# Allegro board FMDEMOD-57.brd (continued)
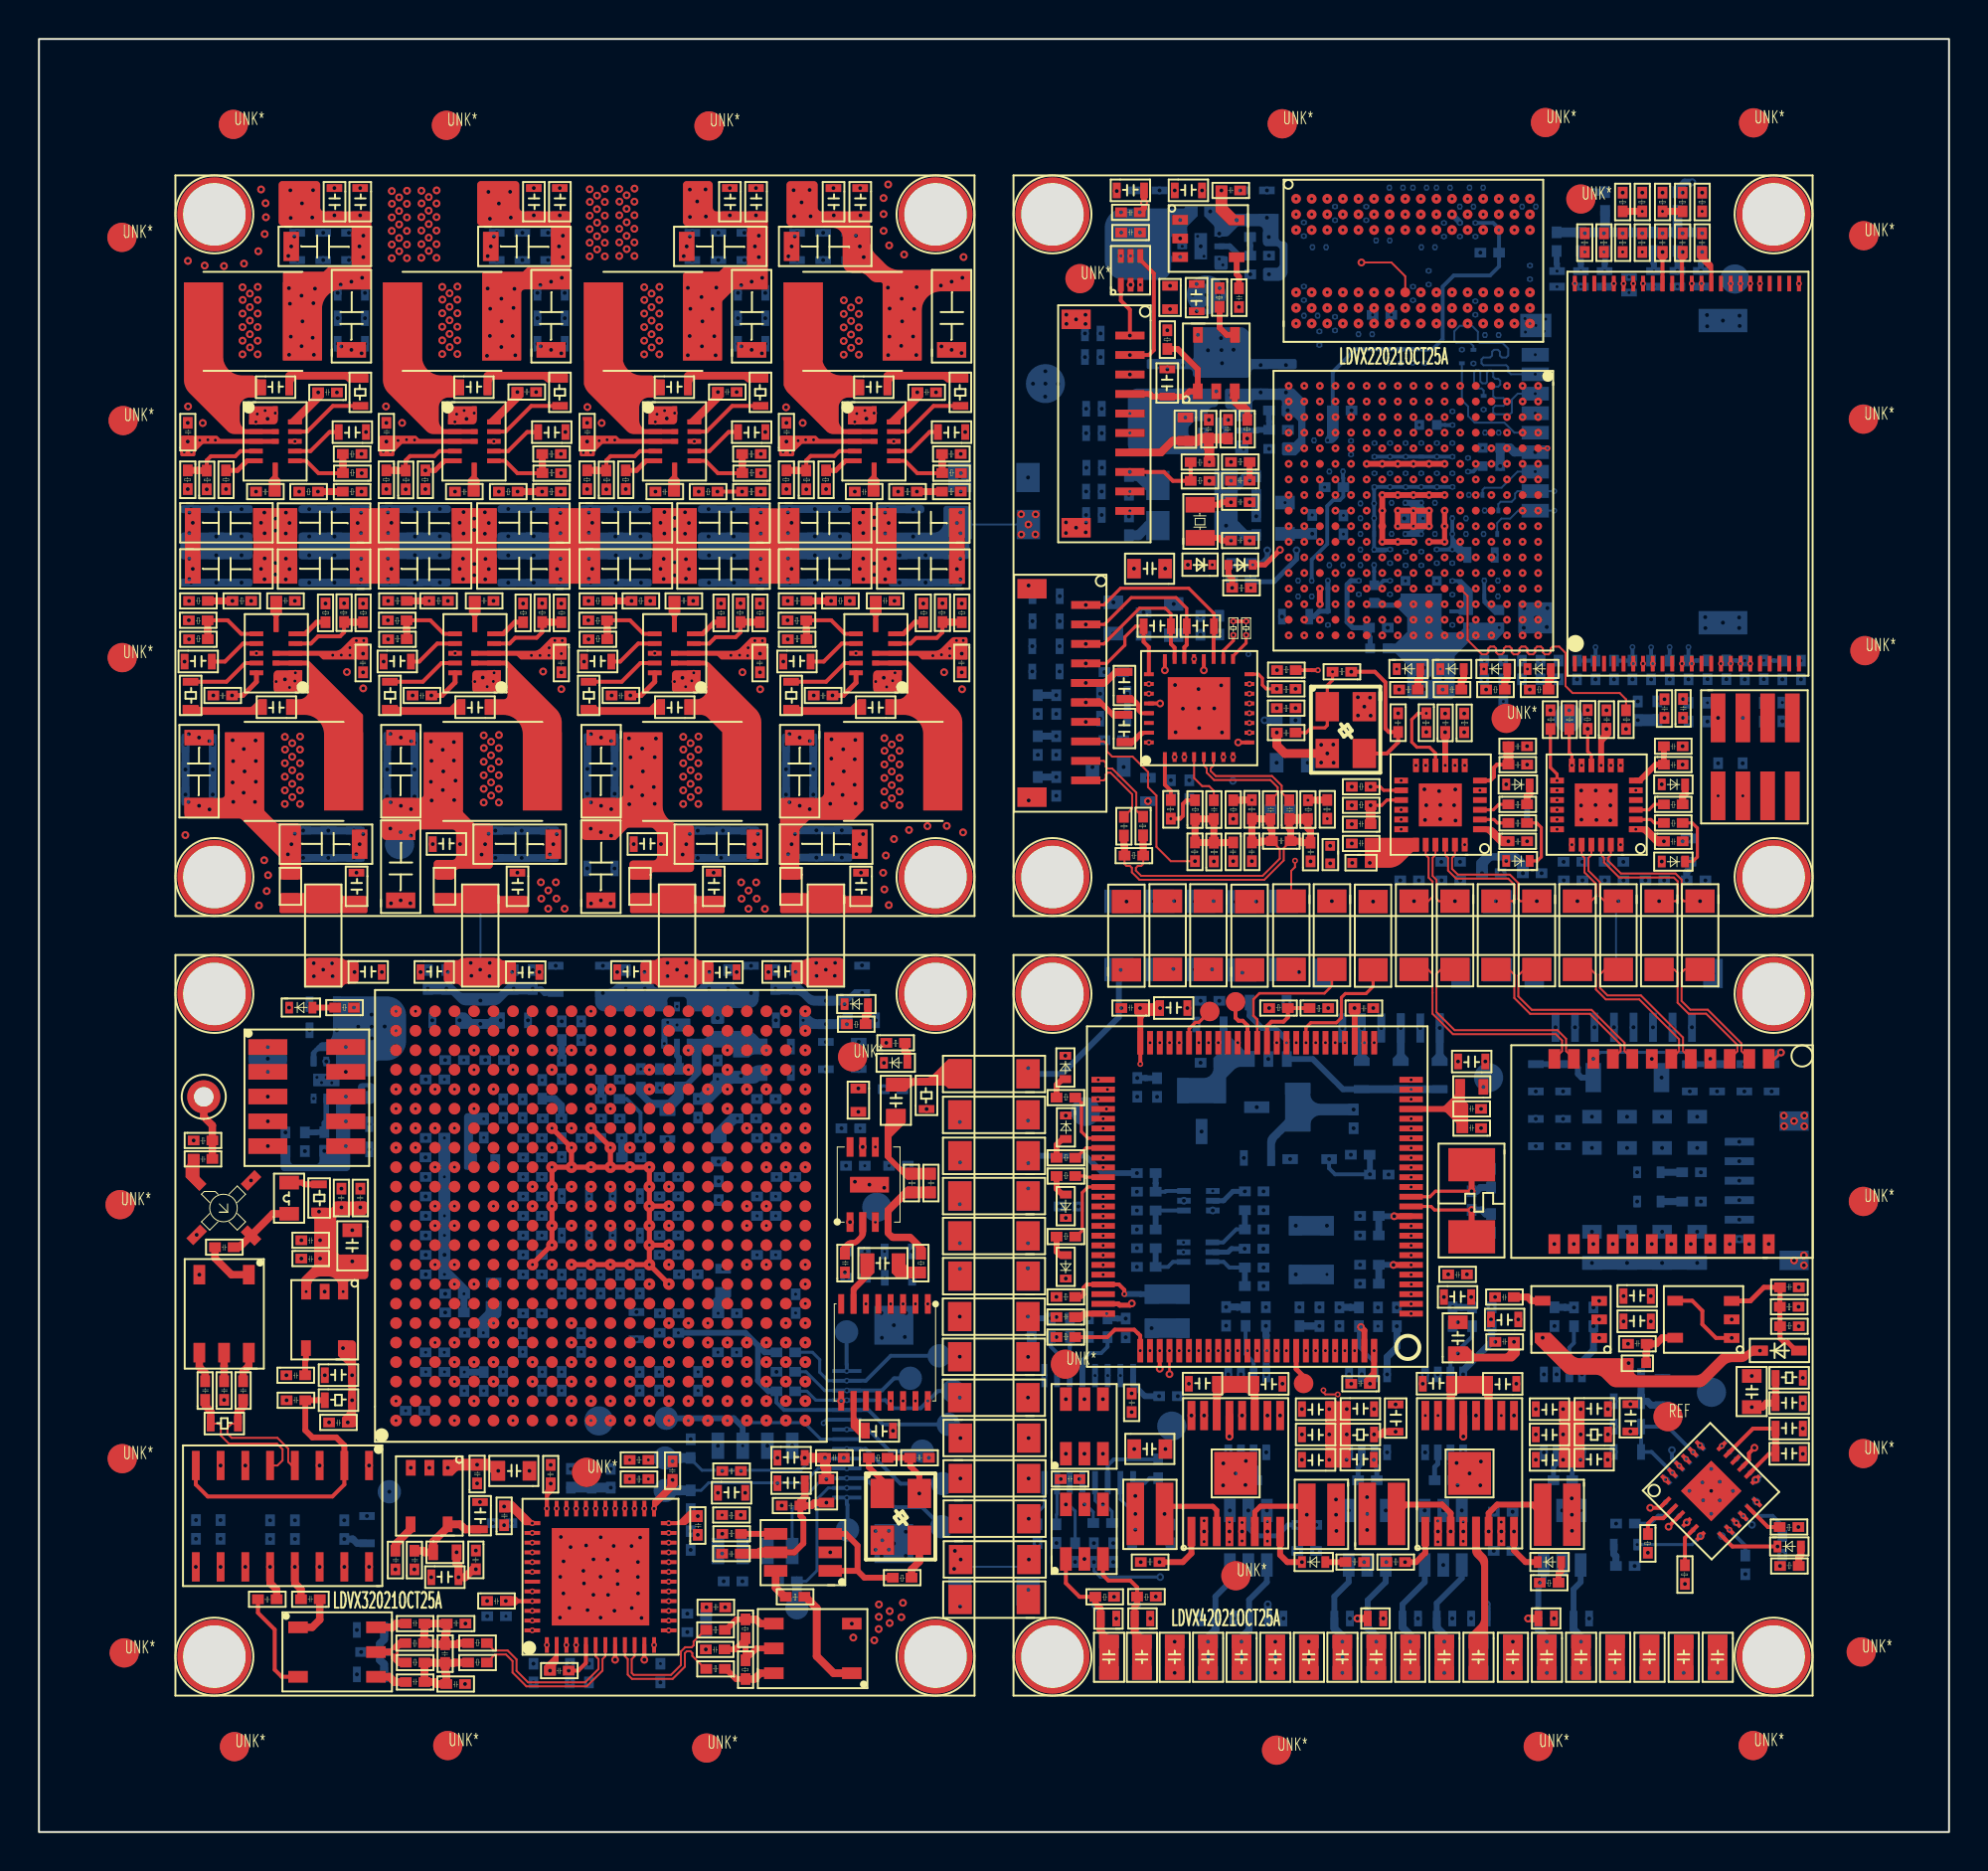
[diagram p0: board, top side]
## Placement (name value [footprint] x y rotation side) (continued)
C271  0.1uF/25V  [C0603]  12.85 80.56 90 bottom
C272  2.2pF  [C0201]  65.99 81.17 180 bottom
C273  10uF  [C0402]  74.92 80.79 180 bottom
C274  0.22uF  [C0201]  71.15 79.45 90 bottom
C275  0.1uF/25V  [C0603]  37.36 78.57 180 bottom
C276  0.1uF/25V  [C0603]  27.07 78.57 180 bottom
C277  0.1uF/25V  [C0603]  16.83 78.57 180 bottom
C278  0.22uF  [C0201]  64.75 78.65 90 bottom
C279  0.22uF  [C0201]  70.35 78.64 90 bottom
C280  0.22uF  [C0201]  73.55 77.9 90 bottom
C281  2.2pF  [C0402]  68.41 78.09 0 bottom
C282  0.22uF  [C0201]  64.95 77.95 0 bottom
C283  0.1uF/25V  [C0603]  37.36 77.27 180 bottom
C284  0.1uF/25V  [C0603]  27.07 77.27 180 bottom
C285  0.1uF/25V  [C0603]  16.83 77.27 180 bottom
C286  0.22uF  [C0201]  66.65 77.69 270 bottom
C287  0.22uF  [C0201]  68.35 76.7 180 bottom
C288  0.22uF  [C0201]  74.84 76.66 180 bottom
C289  0.22uF  [C0201]  65.84 76.95 270 bottom
C290  0.1uF/25V  [C0603]  37.36 75.96 180 bottom
C291  0.1uF/25V  [C0603]  27.07 75.96 180 bottom
C292  0.1uF/25V  [C0603]  16.83 75.96 180 bottom
C293  0.1uF  [C0201]  70.95 75.42 90 bottom
C294  0.1uF  [C0201]  69.41 76.03 270 bottom
C295  10uF  [C0603]  64.38 75.37 270 bottom
C296  10uF  [C0603]  63.08 75.37 270 bottom
C297  10uF  [C0603]  59.1 75.37 270 bottom
C298  10uF  [C0603]  57.79 75.37 270 bottom
C299  10uF  [C0402]  66.37 73.19 0 bottom
C300  0.1uF  [C0201]  72.37 72.24 90 bottom
C301  0.1uF  [C0201]  74.84 71.65 180 bottom
C302  0.22uF  [C0201]  66.07 71.26 180 bottom
C303  0.22uF  [C0201]  72.37 70.62 90 bottom
C304  0.22uF  [C0201]  71.57 70.62 90 bottom
C305  0.22uF  [C0201]  70.77 70.62 90 bottom
C306  0.22uF  [C0201]  69.97 70.62 90 bottom
C307  0.22uF  [C0201]  69.17 70.62 90 bottom
C308  0.22uF  [C0201]  68.37 70.62 90 bottom
C309  0.1uF  [C0201]  73.47 70.45 270 bottom
C310  0.22uF  [C0201]  66.86 69.66 180 bottom
C311  0.22uF  [C0201]  72.37 69.06 90 bottom
C312  0.1uF  [C0201]  71.57 69.06 90 bottom
C313  0.1uF  [C0201]  70.77 69.06 90 bottom
C314  0.1uF  [C0201]  69.97 69.06 90 bottom
C315  0.22uF  [C0201]  69.17 69.06 90 bottom
C316  0.22uF  [C0201]  68.37 69.06 90 bottom
C317  22uF  [C0402]  66.93 68.75 180 bottom
C318  0.22uF  [C0201]  70.97 68.35 0 bottom
C319  0.22uF  [C0201]  70.05 68.05 180 bottom
C320  0.1uF  [C0201]  68.45 68.02 180 bottom
C321  0.22uF  [C0201]  68.45 67.26 180 bottom
C322  10uF  [C0805]  64.55 68.41 270 bottom
C323  0.22uF  [C0201]  72.56 67.55 0 bottom
C324  0.22uF  [C0402]  71.02 67.15 180 bottom
C325  0.1uF/50V  [C0603]  40.7 66.38 90 bottom
C326  0.1uF/50V  [C0603]  39.41 66.38 90 bottom
C327  0.1uF/50V  [C0603]  38.12 66.38 90 bottom
C328  0.1uF/50V  [C0603]  36.54 66.37 90 bottom
C329  0.1uF/50V  [C0603]  35.24 66.37 90 bottom
C330  0.1uF/50V  [C0603]  33.96 66.37 90 bottom
C331  0.1uF/50V  [C0603]  30.46 66.37 90 bottom
C332  0.1uF/50V  [C0603]  29.18 66.37 90 bottom
C333  0.1uF/50V  [C0603]  27.89 66.37 90 bottom
C334  0.1uF/50V  [C0603]  26.28 66.37 90 bottom
C335  0.1uF/50V  [C0603]  25.79 67.98 270 bottom
C336  0.1uF/50V  [C0603]  24.48 67.98 270 bottom
C337  0.1uF/50V  [C0603]  20.97 67.98 270 bottom
C338  0.1uF/50V  [C0603]  18.89 66.37 90 bottom
C339  0.1uF/50V  [C0603]  17.59 66.37 90 bottom
C340  0.1uF/25V  [C0603]  16.06 66.37 90 bottom
C341  0.1uF/25V  [C0603]  14.76 66.37 90 bottom
C342  0.1uF/25V  [C0603]  13.47 66.37 90 bottom
C343  0.1uF/25V  [C0603]  9.99 66.37 90 bottom
C344  0.1uF/25V  [C0603]  8.69 66.37 90 bottom
C345  0.1uF/25V  [C0603]  7.4 66.37 90 bottom
C346  0.1uF/50V  [C0603]  43.15 66.37 90 bottom
C347  0.1uF/50V  [C0603]  44.45 66.37 90 bottom
C348  0.1uF  [C0402]  65.58 67.59 270 bottom
C349  0.22uF  [C0402]  66.68 66.58 90 bottom
C350  0.22uF  [C0201]  70.97 66.75 0 bottom
C351  0.22uF  [C0201]  70.05 66.45 180 bottom
C352  0.22uF  [C0201]  68.45 66.45 180 bottom
C353  0.22uF  [C0201]  72.56 66.75 0 bottom
C354  0.22uF  [C0201]  68.45 65.65 180 bottom
C355  10uF  [C0603]  73.19 65.92 0 bottom
C356  0.22uF  [C0201]  72.66 65.76 270 bottom
C357  0.22uF  [C0201]  71.87 65.76 270 bottom
C358  0.22uF  [C0201]  69.47 65.76 270 bottom
C359  0.1uF  [C0201]  70.77 65.04 90 bottom
C360  0.1uF  [C0201]  69.97 65.04 90 bottom
C361  0.1uF  [C0402]  61.21 65.36 0 bottom
C362  0.1uF  [C0201]  68.45 64.85 180 bottom
C363  0.1uF  [C0201]  66.86 64.85 180 bottom
C364  0.1uF/50V  [C0603]  20.97 65.61 270 bottom
C365  0.1uF/50V  [C0603]  19.69 65.61 270 bottom
C366  0.1uF/50V  [C0603]  18.39 65.61 270 bottom
C367  0.1uF/50V  [C0603]  47.22 65.61 270 bottom
C368  0.1uF/50V  [C0603]  45.89 65.61 270 bottom
C369  0.1uF/50V  [C0603]  44.55 65.61 270 bottom
C370  0.1uF/25V  [C0603]  16.86 65.61 270 bottom
C371  0.1uF/25V  [C0603]  15.56 65.61 270 bottom
C372  0.1uF/25V  [C0603]  14.27 65.61 270 bottom
C373  0.1uF/25V  [C0603]  10.79 65.61 270 bottom
C374  0.1uF/25V  [C0603]  9.49 65.61 270 bottom
C375  0.1uF/25V  [C0603]  8.2 65.61 270 bottom
C376  0.1uF/50V  [C0603]  41.51 65.6 270 bottom
C377  0.1uF/50V  [C0603]  40.21 65.6 270 bottom
C378  0.1uF/50V  [C0603]  38.93 65.6 270 bottom
C379  0.1uF/50V  [C0603]  37.35 65.6 270 bottom
C380  0.1uF/50V  [C0603]  36.06 65.6 270 bottom
C381  0.1uF/50V  [C0603]  34.78 65.6 270 bottom
C382  0.1uF/50V  [C0603]  31.29 65.6 270 bottom
C383  0.1uF/50V  [C0603]  30 65.6 270 bottom
C384  0.1uF/50V  [C0603]  28.7 65.6 270 bottom
C385  0.1uF/50V  [C0603]  27.08 65.6 270 bottom
C386  0.1uF/50V  [C0603]  25.79 65.6 270 bottom
C387  0.1uF/50V  [C0603]  24.48 65.6 270 bottom
C388  0.1uF  [C0201]  74.21 64.35 0 bottom
C389  0.22uF  [C0201]  65.25 64.05 180 bottom
C390  0.1uF  [C0402]  61.2 64.41 0 bottom
C391  0.1uF  [C0201]  69.47 64.16 270 bottom
C392  0.22uF  [C0201]  67.87 64.16 270 bottom
C393  0.1uF  [C0201]  72.67 64.14 270 bottom
C394  15pF/50V  [C0603]  52.48 63.01 180 bottom
C395  0.1uF  [C0201]  74.21 63.55 0 bottom
C396  0.22uF  [C0201]  65.25 63.25 180 bottom
C397  22uF  [C0603]  65.28 61.96 180 bottom
C398  10uF  [C0805]  55.75 63.29 270 bottom
C399  0.22uF  [C0201]  66.28 62.58 270 bottom
C400  0.1uF  [C0201]  72.67 62.58 270 bottom
C401  10uF  [C0805]  58.84 63.21 270 bottom
C402  15pF/50V  [C0603]  52.48 61.73 180 bottom
C403  0.1uF  [C0402]  60.81 62.41 270 bottom
C404  0.1uF  [C0402]  59.34 61.42 90 bottom
C405  0.22uF  [C0402]  68.23 62.04 0 bottom
C406  15pF/50V  [C0603]  50.87 61.24 0 bottom
C407  15pF/50V  [C0603]  50.87 59.95 0 bottom
C408  0.1uF  [C0402]  55.64 59.27 180 bottom
C409  0.1uF  [C0603]  55.95 58 180 bottom
C410  220pF  [C0402]  51.5 58.34 270 bottom
C411  10uF  [C0603]  55.95 56.73 180 bottom
C412  0.1uF  [C0402]  55.64 55.77 180 bottom
C413  0.1uF/25V  [C0603]  17.77 56.29 0 bottom
C414  0.1uF/25V  [C0603]  28.04 56.23 0 bottom
C415  0.1uF/25V  [C0603]  38.23 56.2 0 bottom
C416  0.1uF/25V  [C0603]  7.42 56.2 0 bottom
C417  220pF  [C0402]  52.44 56.24 270 bottom
C418  10uF  [C0805]  63.3 55.48 0 bottom
C419  10uF  [C0805]  55.85 54.02 180 bottom
C420  0.1uF/25V  [C0603]  28.04 54.95 0 bottom
C421  0.1uF/25V  [C0603]  38.23 54.93 0 bottom
C422  0.1uF/25V  [C0603]  17.77 54.92 0 bottom
C423  0.1uF/25V  [C0603]  7.42 54.92 0 bottom
C424  1uF  [C0402]  59.27 53.98 270 bottom
C425  1uF  [C0402]  58.32 53.98 270 bottom
C426  0.1uF/25V  [C0603]  28.04 53.67 0 bottom
C427  0.1uF/25V  [C0603]  7.42 53.63 0 bottom
C428  0.1uF/25V  [C0603]  38.23 53.63 0 bottom
C429  0.1uF/25V  [C0603]  17.77 53.53 0 bottom
C430  0.1uF  [C0402]  76.36 52.48 180 bottom
C431  10uF  [C0402]  64.17 52.23 180 bottom
C432  0.1uF/25V  [C0603]  41.59 51.5 270 bottom
C433  0.1uF/25V  [C0603]  40.29 51.5 270 bottom
C434  0.1uF/25V  [C0603]  38.98 51.5 270 bottom
C435  0.1uF/25V  [C0603]  16.56 51.48 270 bottom
C436  0.1uF/25V  [C0603]  15.24 51.48 270 bottom
C437  0.1uF/25V  [C0603]  13.95 51.48 270 bottom
C438  0.1uF/25V  [C0603]  36.78 51.48 270 bottom
C439  0.1uF/25V  [C0603]  35.49 51.48 270 bottom
C440  0.1uF/25V  [C0603]  34.2 51.48 270 bottom
C441  0.1uF/25V  [C0603]  26.52 51.48 270 bottom
C442  0.1uF/25V  [C0603]  25.17 51.48 270 bottom
C443  0.1uF/25V  [C0603]  23.82 51.48 270 bottom
C444  0.1uF  [C0402]  78.22 50.03 0 bottom
C445  0.1uF/25V  [C0603]  28.03 49.84 0 bottom
C446  10uF  [C0603]  42.63 44.55 270 bottom
C447  0.1uF  [C0402]  39 44.24 270 bottom
C448  0.1uF  [C0402]  38.03 44.24 270 bottom
C449  10uF  [C0603]  36.93 44.55 270 bottom
C450  0.1uF  [C0402]  35.61 44.24 270 bottom
C451  0.1uF  [C0402]  34.63 44.24 270 bottom
C452  0.1uF  [C0402]  31.34 44.24 270 bottom
C453  0.1uF  [C0402]  30.36 44.24 270 bottom
C454  10uF  [C0603]  29.33 44.55 270 bottom
C455  10uF  [C0603]  26.91 44.55 270 bottom
C456  0.1uF  [C0402]  25.58 44.24 270 bottom
C457  0.1uF  [C0402]  24.61 44.24 270 bottom
C458  0.1uF  [C0402]  21.15 44.24 270 bottom
C459  0.1uF  [C0402]  20.2 44.24 270 bottom
C460  0.1uF  [C0402]  59.59 42.9 0 bottom
C461  10uF  [C0603]  13.78 42.88 0 bottom
C462  10uF  [C0603]  43.04 41.25 180 bottom
C463  10uF  [C0603]  37.71 42.05 0 bottom
C464  10uF  [C0603]  25.19 41.25 180 bottom
C465  10uF  [C0603]  20.08 42.05 0 bottom
C466  10uF  [C0603]  13.78 41.54 0 bottom
C467  10uF  [C0603]  38.68 39.9 180 bottom
C468  10uF  [C0603]  42.46 40.65 270 bottom
C469  10uF  [C0603]  39.97 39.04 90 bottom
C470  0.1uF  [C0402]  22.89 39.86 0 bottom
C471  0.1uF  [C0402]  21.81 39.36 180 bottom
C472  0.1uF  [C0402]  59.59 39.72 0 bottom
C473  0.1uF  [C0402]  35.07 39.6 270 bottom
C474  10uF  [C0603]  38.68 38.55 180 bottom
C475  10nF/1kV  [C1206]  79.9 39.5 0 bottom
C476  1nF  [C0603]  88.5 37.9 90 bottom
C477  1nF  [C0603]  87.1 37.9 90 bottom
C478  0.1uF  [C0402]  19.83 38.87 0 bottom
C479  0.1uF  [C0402]  56.6 38.7 270 bottom
C480  0.1uF  [C0402]  44.31 37.86 180 bottom
C481  0.1uF  [C0402]  37.81 37.36 180 bottom
C482  0.1uF  [C0402]  34.07 37.62 270 bottom
C483  0.1uF  [C0402]  25.06 37.61 270 bottom
C484  0.1uF  [C0402]  24.07 37.61 270 bottom
C485  0.1uF  [C0402]  36.81 36.36 180 bottom
C486  0.1uF  [C0402]  29.81 36.36 180 bottom
C487  0.1uF  [C0402]  67.2 36.1 90 bottom
C488  10uF  [C0603]  17.04 35.92 180 bottom
C489  10uF  [C0603]  31.84 35.45 90 bottom
C490  0.1uF  [C0402]  22.57 35.62 90 bottom
C491  0.1uF  [C0402]  41.16 36.36 0 bottom
C492  10uF  [C0805]  85.7 36.9 270 bottom
C493  10uF  [C0805]  83.9 36.9 270 bottom
C494  10uF  [C0805]  82.1 36.9 270 bottom
C495  10uF  [C0805]  80.3 36.9 270 bottom
C496  1nF  [C0603]  77.8 35.09 90 bottom
C497  1nF  [C0603]  76.4 35.09 90 bottom
C498  0.1uF  [C0402]  20.81 35.36 180 bottom
C499  0.1uF  [C0402]  28.81 35.36 180 bottom
C500  0.1uF  [C0402]  37.81 35.36 180 bottom
C501  0.1uF  [C0402]  24.83 35.86 0 bottom
C502  0.1uF  [C0402]  27.07 35.61 270 bottom
C503  10uF  [C0603]  17.04 34.62 180 bottom
C504  0.1uF  [C0402]  67.3 35 0 bottom
C505  0.1uF  [C0402]  19.82 34.87 0 bottom
C506  0.1uF  [C0402]  24.83 34.86 0 bottom
C507  0.1uF  [C0402]  44.59 33.94 180 bottom
C508  0.1uF  [C0402]  41.4 34.44 0 bottom
C509  0.1uF  [C0402]  32.81 33.36 180 bottom
C510  0.1uF  [C0402]  19.83 33.86 0 bottom
C511  0.1uF  [C0402]  24.83 33.86 0 bottom
C512  0.1uF  [C0402]  38.81 33.36 180 bottom
C513  22pF  [C0402]  74.75 34.04 270 bottom
C514  0.1uF  [C0402]  34.63 32.42 90 bottom
C515  0.1uF  [C0402]  62.84 32.62 180 bottom
C516  10uF  [C0603]  29.33 33.03 0 bottom
C517  10uF  [C0603]  28.33 32.23 180 bottom
C518  0.1uF  [C0402]  32.81 32.36 180 bottom
C519  0.1uF  [C0402]  37.81 32.36 180 bottom
C520  0.1uF  [C0402]  24.83 32.86 0 bottom
C521  0.1uF  [C0402]  19.83 32.86 0 bottom
C522  0.1uF  [C0402]  32.81 31.36 180 bottom
C523  0.1uF  [C0402]  19.84 31.86 0 bottom
C524  0.1uF  [C0402]  37.81 31.36 180 bottom
C525  0.1uF  [C0402]  68.75 31.36 180 bottom
C526  0.1uF  [C0402]  24.83 31.86 0 bottom
C527  22pF  [C0402]  74.25 30.74 90 bottom
C528  DNP  [C0805]  66.28 30.49 180 bottom
C529  0.1uF  [C0402]  32.81 30.36 180 bottom
C530  10uF  [C0603]  29.33 31.01 0 bottom
C531  10uF  [C0603]  28.33 30.21 180 bottom
C532  0.1uF  [C0402]  68.75 30.36 180 bottom
C533  0.1uF  [C0402]  19.84 30.86 0 bottom
C534  0.1uF  [C0402]  24.83 30.86 0 bottom
C535  10uF  [C0805]  85.7 31 270 bottom
C536  10uF  [C0805]  83.9 31 270 bottom
C537  10uF  [C0805]  82.1 31 270 bottom
C538  10uF  [C0805]  80.3 31 270 bottom
C539  0.1uF  [C0402]  61.85 30.18 0 bottom
C540  10uF  [C0603]  43.29 30.19 0 bottom
C541  0.1uF  [C0402]  41.4 30.04 0 bottom
C542  0.1uF  [C0402]  32.81 29.37 180 bottom
C543  0.1uF  [C0402]  24.83 29.87 0 bottom
C544  0.1uF  [C0402]  37.81 29.36 180 bottom
C545  0.1uF  [C0402]  19.84 29.86 0 bottom
C546  0.1uF  [C0402]  68.75 28.86 180 bottom
C547  DNP  [C0805]  66.28 27.99 180 bottom
C548  0.1uF  [C0402]  33.81 28.36 180 bottom
C549  0.1uF  [C0402]  19.84 28.86 0 bottom
C550  0.1uF  [C0402]  24.83 28.86 0 bottom
C551  10uF  [C0603]  44.9 28.04 180 bottom
C552  0.1uF  [C0402]  42.39 28.19 180 bottom
C553  0.1uF  [C0402]  68.75 27.88 180 bottom
C554  0.1uF  [C0402]  30.57 27.63 90 bottom
C555  0.1uF  [C0402]  29.57 27.63 90 bottom
C556  0.1uF  [C0402]  28.57 27.63 90 bottom
C557  0.1uF  [C0402]  27.57 27.63 90 bottom
C558  0.1uF  [C0402]  26.57 27.63 90 bottom
C559  0.1uF  [C0402]  20.83 27.87 0 bottom
C560  DNP  [C0805]  56.88 28.22 0 bottom
C561  0.1uF  [C0402]  39.07 27.6 270 bottom
C562  0.1uF  [C0402]  20.83 26.91 0 bottom
C563  0.1uF  [C0402]  35.82 26.37 180 bottom
C564  0.1uF  [C0402]  32.82 26.37 180 bottom
C565  0.1uF  [C0402]  24.83 26.86 0 bottom
C566  0.1uF  [C0402]  62.7 25.96 90 bottom
C567  0.1uF  [C0402]  61.16 26.95 270 bottom
C568  0.1uF  [C0402]  79.51 25.94 90 bottom
C569  0.1uF  [C0402]  78.01 26.93 270 bottom
C570  0.1uF  [C0402]  74.28 25.94 90 bottom
C571  0.1uF  [C0402]  72.78 26.93 270 bottom
C572  0.1uF  [C0402]  69.42 25.94 90 bottom
C573  0.1uF  [C0402]  68.45 25.94 90 bottom
C574  0.1uF  [C0402]  66.97 26.93 270 bottom
C575  10uF  [C0603]  31.06 26.78 270 bottom
C576  DNP  [C0805]  56.88 26.47 0 bottom
C577  0.1uF  [C0402]  21.83 25.87 0 bottom
C578  0.1uF  [C0402]  31.83 25.86 0 bottom
C579  0.1uF  [C0402]  24.57 24.63 90 bottom
C580  0.1uF  [C0402]  34.83 24.87 0 bottom
C581  0.1uF  [C0402]  19.83 24.86 0 bottom
C582  0.1uF  [C0402]  20.82 23.36 180 bottom
C583  0.1uF  [C0402]  34.07 23.62 270 bottom
C584  0.1uF  [C0402]  32.07 23.62 270 bottom
C585  0.1uF  [C0402]  31.07 23.62 270 bottom
C586  0.1uF  [C0402]  27.07 23.62 270 bottom
C587  0.1uF  [C0402]  26.07 23.62 270 bottom
C588  0.1uF  [C0402]  24.07 23.62 270 bottom
C589  0.1uF  [C0402]  22.57 22.63 90 bottom
C590  10uF  [C0603]  82.9 21.8 90 bottom
C591  0.1uF  [C0402]  57.46 22.61 0 bottom
C592  0.1uF  [C0603]  82.3 21.7 180 bottom
C593  0.1uF  [C0402]  18.8 21.87 0 bottom
C594  2.2uF  [C0603]  82.3 20.4 180 bottom
C595  2.2uF  [C0603]  82.3 19.1 180 bottom
C596  0.1uF  [C0402]  57.17 18.15 90 bottom
C597  0.1uF  [C0402]  29.59 18.64 270 bottom
C598  0.1uF  [C0402]  28.61 18.64 270 bottom
C599  0.1uF  [C0402]  27.54 18.64 270 bottom
C600  0.1uF  [C0402]  75.62 16.18 180 bottom
C601  0.1uF  [C0402]  55.06 15.6 180 bottom
C602  0.1uF  [C0402]  23.27 16.1 0 bottom
C603  0.1uF  [C0402]  65.54 15.51 180 bottom
C604  0.1uF  [C0402]  15.41 15.03 90 bottom
C605  33pF  [C0402]  9.56 16.02 270 bottom
C606  0.1uF  [C0402]  57.8 14.81 90 bottom
C607  0.1uF  [C0402]  56.34 15.8 270 bottom
C608  0.1uF  [C0402]  33.19 14.47 90 bottom
C609  0.1uF  [C0402]  74.63 14.68 0 bottom
C610  0.1uF  [C0402]  64.55 14.68 0 bottom
C611  0.1uF  [C0402]  53.41 14.83 270 bottom
C612  0.1uF  [C0402]  35.12 13.11 0 bottom
C613  0.1uF  [C0402]  34.24 10.95 180 bottom
C614  0.1uF  [C0402]  22.99 11.32 0 bottom
C615  10uF  [C0603]  17.81 9.97 180 bottom
C616  0.1uF  [C0402]  34.24 10.01 180 bottom
C617  2.2uF  [C0402]  17.5 8.98 180 bottom
C618  DNP  [C0805]  86.76 9.97 270 bottom
C619  DNP  [C0805]  85.01 9.97 270 bottom
C620  DNP  [C0805]  83.26 9.97 270 bottom
C621  DNP  [C0805]  81.49 9.97 270 bottom
C622  DNP  [C0805]  79.75 9.97 270 bottom
C623  DNP  [C0805]  78 9.97 270 bottom
C624  DNP  [C0805]  76.25 9.97 270 bottom
C625  DNP  [C0805]  74.48 9.97 270 bottom
C626  DNP  [C0805]  72.73 9.97 270 bottom
C627  DNP  [C0805]  70.98 9.97 270 bottom
C628  DNP  [C0805]  69.24 9.97 270 bottom
C629  DNP  [C0805]  66.25 7.96 90 bottom
C630  DNP  [C0805]  65.78 9.97 270 bottom
C631  DNP  [C0805]  64.06 9.97 270 bottom
C632  DNP  [C0805]  62.33 9.97 270 bottom
C633  DNP  [C0805]  60.61 9.97 270 bottom
C634  DNP  [C0805]  58.9 9.97 270 bottom
C635  DNP  [C0805]  57.21 9.97 270 bottom
C636  DNP  [C0805]  55.52 9.97 270 bottom
C637  0.1uF  [C0402]  31.63 7.67 90 bottom
C638  0.1uF  [C0402]  27.97 7.67 90 bottom
C639  0.1uF  [C0402]  26.99 7.67 90 bottom
C640  0.1uF  [C0402]  25.12 7.67 90 bottom
C641  10uF  [C0603]  17.81 7.69 180 bottom
D1  RB521S-30  [SOD523]  60.2 65.45 180 top
D2  RB521S-30  [SOD523]  62.28 65.45 180 top
D3  BLUE  [LED0402]  69.77 59.42 0 top
D4  BLUE  [LED0402]  72 59.42 0 top
D5  BLUE  [LED0402]  74.23 59.42 0 top
D6  BLUE  [LED0402]  76.47 59.42 0 top
D7  LED  [LED0402]  76.38 54 180 top
D8  LED  [LED0402]  84.36 54 180 top
D9  LED  [LED0402]  76.38 50.08 180 top
D10  LED  [LED0402]  84.36 50.05 180 top
D11  LED  [LED0402]  41.43 42.23 0 top
D12  LED  [LED0402]  12.93 42.05 0 top
D13  LED  [LED0402]  43.45 39.22 0 top
D14  LED  [LED0402]  52.41 39.73 270 top
D15  LED  [LED0402]  52.43 36.66 270 top
D16  LED  [LED0402]  52.93 31.61 90 top
D17  LED  [LED0402]  52.93 28.5 90 top
D18  1N4148WT  [SOD-523F]  90.3 24.7 270 top
D19  LED  [LED0402]  89.3 14.4 0 top
D20  LED  [LED0402]  64.9 13.6 0 top
D21  LED  [LED0402]  77 13.6 0 top
D22  ESD5451X  [DF1006]  57.12 11.26 180 top
D23  ESD5451X  [DF1006]  68.07 10.66 0 top
D24  ESD5451X  [DF1006]  76.83 10.66 0 top
D25  ESD5451X  [DF1006]  55.37 11.25 180 top
D26  ESD5451X  [DF1006]  85.57 80.2 270 bottom
D27  ESD5451X  [DF1006]  84.36 80.2 270 bottom
D28  ESD5451X  [DF1006]  83.16 80.19 270 bottom
D29  ESD5451X  [DF1006]  80.63 80.19 270 bottom
D30  ESD5451X  [DF1006]  79.41 80.19 270 bottom
D31  ESD5451X  [DF1006]  78.19 80.19 270 bottom
D32  ESD5451X  [DF1006]  81.28 78.89 90 bottom
D33  ESD5451X  [DF1006]  54.57 76.59 180 bottom
D34  ESD5451X  [DF1006]  54.57 75.38 180 bottom
D35  ESD5451X  [DF1006]  53.63 73.33 0 bottom
D36  ESD5451X  [DF1006]  53.63 72.08 0 bottom
D37  ESD5451X  [DF1006]  54.64 69.7 180 bottom
D38  ESD5451X  [DF1006]  54.63 68.48 180 bottom
D39  ESD5451X  [DF1006]  54.62 67.28 180 bottom
D40  1N4148WT  [SOD-523F]  64.19 34.53 270 bottom
D41  BLUE  [LED0402]  82.1 34.1 0 bottom
D42  BLUE  [LED0402]  82.1 32.6 0 bottom
D43  LED  [LED0402]  81.9 14.5 180 bottom
D44  ESD5451X  [DF1006]  79.63 10.66 180 bottom
D45  ESD5451X  [DF1006]  77.83 10.66 180 bottom
D46  ESD5451X  [DF1006]  74.38 10.66 180 bottom
D47  ESD5451X  [DF1006]  72.61 10.66 180 bottom
D48  ESD5451X  [DF1006]  70.86 10.66 180 bottom
D49  ESD5451X  [DF1006]  69.07 10.66 180 bottom
D50  ESD5451X  [DF1006]  67.36 10.66 180 bottom
D51  ESD5451X  [DF1006]  62.95 11.26 0 bottom
D52  ESD5451X  [DF1006]  61.19 11.26 0 bottom
D53  ESD5451X  [DF1006]  59.46 11.26 0 bottom
D54  ESD5451X  [DF1006]  57.12 10.66 180 bottom
D55  ESD5451X  [DF1006]  55.38 10.66 180 bottom
J1  HEADER1X10  [SH1D0-SMD-VER-10P]  52.56 78.02 270 top
J2  HEADER1X10  [SH1D0-SMD-VER-10P]  50.3 64.2 270 top
J3  HEADER-2X4  [SMD-HEADER-2X4-1D27]  85.5 52 0 top
J4  HEADER-2X5P  [HEADER-2X5P-1D27-SMD]  15.74 40.27 270 top
J5  MicroSDSlot  [MICROSD-SMD-9P]  84.3 69.8 270 bottom
J6  HEADER1X8  [SH1D0-SMD-VER-8P]  76.3 44.7 0 bottom
J7  HEADER1x6  [SH1D0-SMD-VER-6P]  65.39 44.71 0 bottom
J8  HEADER1x6  [SH1D0-SMD-VER-6P]  90.7 36.9 270 bottom
J9  FPC-14P-0.5  [FPC-14P-0D5]  44.92 20.4 270 bottom
L1  BLM18SP102SN1D  [FB0603]  57.63 79.54 270 top
L2  4.7uH/2A  [CD54-IND-2P]  8.44 74.97 0 top
L3  4.7uH/2A  [CD54-IND-2P]  18.66 74.97 0 top
L4  2.2uH/2A  [CD54-IND-2P]  28.96 74.97 0 top
L5  2.2uH/2A  [CD54-IND-2P]  39.21 74.97 0 top
L6  BLM18SP102SN1D  [FB0603]  58.42 72.78 270 top
L7  4.7uH/2A  [CD54-IND-2P]  15.63 56.96 180 top
L8  4.7uH/2A  [CD54-IND-2P]  25.82 56.96 180 top
L9  2.2uH/2A  [CD54-IND-2P]  36.06 56.96 180 top
L10  2.2uH/2A  [CD54-IND-2P]  46.37 56.96 180 top
L11  BLM18SP102SN1D  [FB0402]  66.01 50.65 270 top
L12  BLM18SP102SN1D  [FB0402]  67.33 49.49 0 top
L13  BLM18SP102SN1D  [FB0603]  12.5 49.32 270 top
L14  BLM18SP102SN1D  [FB0603]  20.4 49.32 270 top
L15  BLM18SP102SN1D  [FB0603]  30.44 49.32 270 top
L16  BLM18SP102SN1D  [FB0603]  38.19 49.32 270 top
L17  BLM18SP102SN1D  [FB0603]  74.31 38.63 180 top
L18  BEAD  [FB0603]  41.64 38.35 270 top
L19  1uH/100mA  [L0805]  13.46 31.52 90 top
L20  MPZ1005D330ET000  [FB0402]  82.51 24.3 180 top
L21  BEAD  [FB0603]  40 18.3 270 top
L22  BEAD  [FB0603]  20.03 13.95 0 top
L23  BLM18SP102SN1D  [FB0402]  70.77 72.44 0 bottom
L24  BLM18SP102SN1D  [FB0402]  75.02 70.78 180 bottom
L25  BLM18SP102SN1D  [FB0402]  75.02 69.84 180 bottom
L26  BLM18SP102SN1D  [FB0402]  71.48 63.25 90 bottom
L27  BLM18SP102SN1D  [FB0402]  69.87 63.25 90 bottom
L28  BLM18SP102SN1D  [FB0402]  68.27 63.02 90 bottom
L29  BLM18SP102SN1D  [FB0402]  74.68 61.75 90 bottom
L30  BLM18SP102SN1D  [FB0402]  73.08 61.75 90 bottom
L31  BLM18SP102SN1D  [FB0603]  57.08 62.78 270 bottom
L32  BLM18SP102SN1D  [FB0402]  69.25 60.49 180 bottom
L33  BLM18SP102SN1D  [FB0603]  56.5 52.69 90 bottom
L34  BLM18SP102SN1D  [FB0603]  85.03 51.18 270 bottom
L35  BEAD  [FB0603]  39.98 41.25 90 bottom
L36  BEAD  [FB0603]  23.05 42.86 270 bottom
L37  BEAD  [FB0603]  36.42 40.2 270 bottom
L38  BEAD  [FB0603]  35.27 35.8 270 bottom
L39  BEAD  [FB0603]  22.01 34.78 0 bottom
L40  BEAD  [FB0603]  34.7 27.5 90 bottom
L41  BEAD  [FB0603]  22.93 26.79 90 bottom
NOREF  -  []  53.06 24.3 90 top
NOREF#2  -  []  38.5 78.96 0 top
NOREF#3  -  []  17.45 60.81 90 top
NOREF#4  -  []  13.03 70.91 0 top
NOREF#5  -  []  15.22 76.2 90 top
NOREF#6  -  []  83.76 79.2 90 top
NOREF#7  -  []  82.33 12.48 90 top
NOREF#8  -  []  27.74 62.78 90 top
NOREF#9  -  []  83.94 80.61 90 top
NOREF#10  -  []  37.47 12.47 0 top
NOREF#11  -  []  33.39 68.39 0 top
NOREF#12  -  []  46.79 70.96 90 top
NOREF#13  -  []  19.39 27.44 0 top
NOREF#14  -  []  60.21 84.62 0 top
NOREF#15  -  []  70.58 68.41 90 top
NOREF#16  -  []  60.59 12.26 0 top
NOREF#17  -  []  53.71 53.96 90 top
NOREF#18  -  []  55.15 77.6 0 top
NOREF#19  -  []  33.17 23.15 90 top
NOREF#20  -  []  15.46 32.33 0 top
NOREF#21  -  []  74.68 62.25 0 top
NOREF#22  -  []  13.87 73.47 90 top
NOREF#23  -  []  55.51 79.39 0 top
NOREF#24  -  []  5.88 36.65 0 top
NOREF#25  -  []  76.03 58.23 0 top
NOREF#26  -  []  90.6 20.3 90 top
NOREF#27  -  []  66.8 18.9 90 top
NOREF#28  -  []  92.35 12.48 90 top
NOREF#29  -  []  30.48 67.2 0 top
NOREF#30  -  []  77.83 10.06 90 top
NOREF#31  -  []  66.93 62.32 90 top
NOREF#32  -  []  55.24 12.33 90 top
NOREF#33  -  []  7.23 61.78 0 top
NOREF#34  -  []  61.03 64.6 0 top
NOREF#35  -  []  46.17 17.8 90 top
NOREF#36  -  []  58.32 52.49 0 top
NOREF#37  -  []  10.85 21.07 90 top
NOREF#38  -  []  45.41 7.51 90 top
NOREF#39  -  []  80.73 17.66 90 top
NOREF#40  -  []  56.58 59.87 0 top
NOREF#41  -  []  66.9 52.1 0 top
NOREF#42  -  []  84.76 9.97 90 top
NOREF#43  -  []  37.35 66.37 90 top
NOREF#44  -  []  21.52 74.54 0 top
NOREF#45  -  []  20.47 23.1 0 top
NOREF#46  -  []  77.78 48.44 0 top
NOREF#47  -  []  21.22 15.46 90 top
NOREF#48  -  []  75.09 80.65 0 top
NOREF#49  -  []  69.78 68.41 90 top
NOREF#50  -  []  79.4 37.9 90 top
NOREF#51  -  []  15.23 78.08 0 top
NOREF#52  -  []  80.6 21.61 0 top
NOREF#53  -  []  85.22 58.4 0 top
NOREF#54  -  []  13.53 71.1 90 top
NOREF#55  -  []  6.48 69.35 0 top
NOREF#56  -  []  69.68 67.94 90 top
NOREF#57  -  []  60.7 66.66 0 top
NOREF#58  -  []  51.75 37.29 90 top
NOREF#59  -  []  90.6 21.6 90 top
NOREF#60  -  []  66.28 31.74 0 top
NOREF#61  -  []  45.08 64.01 0 top
NOREF#62  -  []  16.06 64.77 0 top
NOREF#63  -  []  72.75 17.66 0 top
NOREF#64  -  []  83.01 11.22 0 top
NOREF#65  -  []  26.9 20.69 0 top
NOREF#66  -  []  60.7 68.94 90 top
NOREF#67  -  []  46.41 64.01 90 top
NOREF#68  -  []  34.97 46.29 0 top
NOREF#69  -  []  46.6 27.61 90 top
NOREF#70  -  []  12.85 82.16 0 top
NOREF#71  -  []  78 35.09 90 top
NOREF#72  -  []  25.87 17.42 90 top
NOREF#73  -  []  62.07 68.14 90 top
NOREF#74  -  []  86.19 58.69 0 top
NOREF#75  -  []  53.64 70.3 0 top
NOREF#76  -  []  9.36 34.15 90 top
NOREF#77  -  []  67.46 63.89 0 top
NOREF#78  -  []  27.43 40.17 0 top
NOREF#79  -  []  79.88 48.44 0 top
NOREF#80  -  []  16.87 64.77 90 top
NOREF#81  -  []  65.87 62.32 0 top
NOREF#82  -  []  36.54 67.97 0 top
NOREF#83  -  []  55.77 82.73 90 top
NOREF#84  -  []  20.34 44.41 90 top
NOREF#85  -  []  22.93 25.19 0 top
NOREF#86  -  []  38.9 37.86 90 top
NOREF#87  -  []  38.97 75.96 90 top
NOREF#88  -  []  37.39 46.29 0 top
NOREF#89  -  []  70.98 7.97 90 top
NOREF#90  -  []  73.37 49.39 0 top
NOREF#91  -  []  71.5 48.44 90 top
NOREF#92  -  []  8.98 64.52 0 top
NOREF#93  -  []  81.96 48.44 90 top
NOREF#94  -  []  10.43 61.04 0 top
NOREF#95  -  []  53.63 71.47 0 top
NOREF#96  -  []  79.47 58.68 90 top
NOREF#97  -  []  43.35 18.03 90 top
NOREF#98  -  []  82.8 25.8 90 top
NOREF#99  -  []  82.8 14.83 0 top
NOREF#100  -  []  84.79 55.32 90 top
NOREF#101  -  []  53.85 55.27 0 top
NOREF#102  -  []  34.3 43.71 0 top
NOREF#103  -  []  68 76.69 0 top
NOREF#104  -  []  73.21 83.14 90 top
NOREF#105  -  []  18.07 56.97 90 top
NOREF#106  -  []  34.19 14.79 90 top
NOREF#107  -  []  78.85 17.66 0 top
NOREF#108  -  []  16.08 82.85 0 top
NOREF#109  -  []  63.05 56.66 0 top
NOREF#110  -  []  78 37.9 90 top
NOREF#111  -  []  39.86 32.22 90 top
NOREF#112  -  []  67.82 34.9 0 top
NOREF#113  -  []  67.07 10.66 90 top
NOREF#114  -  []  71.49 67.84 0 top
NOREF#115  -  []  58.67 82.76 0 top
NOREF#116  -  []  35.39 61.61 90 top
NOREF#117  -  []  23.16 7.53 0 top
NOREF#118  -  []  37.38 61.61 90 top
NOREF#119  -  []  23.94 9.53 90 top
NOREF#120  -  []  83.9 38.15 0 top
NOREF#121  -  []  25.48 78.08 0 top
NOREF#122  -  []  17.78 33 0 top
NOREF#123  -  []  66.48 63.97 90 top
NOREF#124  -  []  78.81 79.19 0 top
NOREF#125  -  []  29.94 63.56 0 top
NOREF#126  -  []  17.29 7.97 90 top
NOREF#127  -  []  42.56 28.05 0 top
NOREF#128  -  []  31.82 57.31 90 top
NOREF#129  -  []  67.35 26.41 0 top
NOREF#130  -  []  43.38 49.32 90 top
NOREF#131  -  []  50.05 58.35 90 top
NOREF#132  -  []  62.64 63.45 90 top
NOREF#133  -  []  72 26.46 0 top
NOREF#134  -  []  84.3 38.71 0 top
NOREF#135  -  []  23.67 67.98 90 top
NOREF#136  -  []  83.9 19.1 90 top
NOREF#137  -  []  21.9 62.78 90 top
NOREF#138  -  []  27.07 79.38 0 top
NOREF#139  -  []  83.94 82.69 90 top
NOREF#140  -  []  60.59 11.26 90 top
NOREF#141  -  []  84.94 80.61 90 top
NOREF#142  -  []  77.16 58.02 0 top
NOREF#143  -  []  89.55 25.16 90 top
NOREF#144  -  []  73.3 14.7 90 top
NOREF#145  -  []  56.98 75.37 90 top
NOREF#146  -  []  15.03 36.09 90 top
NOREF#147  -  []  88.89 58.69 90 top
NOREF#148  -  []  58.55 81.76 90 top
NOREF#149  -  []  42.88 38.5 90 top
NOREF#150  -  []  63.11 51.21 0 top
NOREF#151  -  []  60.1 49.92 0 top
NOREF#152  -  []  43.62 68.39 0 top
NOREF#153  -  []  37.65 16.36 0 top
NOREF#154  -  []  55.82 38.23 0 top
NOREF#155  -  []  67.7 35.01 0 top
NOREF#156  -  []  17.79 30.22 90 top
NOREF#157  -  []  55.24 9.95 90 top
NOREF#158  -  []  24.43 22.58 90 top
NOREF#159  -  []  17.75 47.95 90 top
NOREF#160  -  []  37.98 32.22 0 top
NOREF#161  -  []  63.01 28.58 0 top
NOREF#162  -  []  26.41 63.5 0 top
NOREF#163  -  []  17.75 47.95 90 top
NOREF#164  -  []  28.72 70.31 0 top
NOREF#165  -  []  53.63 72.73 0 top
NOREF#166  -  []  64.42 64.09 0 top
NOREF#167  -  []  83.67 82.72 90 top
NOREF#168  -  []  68.28 30.49 90 top
NOREF#169  -  []  69.89 67.84 90 top
NOREF#170  -  []  51.8 52.71 0 top
NOREF#171  -  []  16.74 32.55 0 top
NOREF#172  -  []  83.01 58.58 0 top
NOREF#173  -  []  30.25 28.38 0 top
NOREF#174  -  []  55.08 24.29 0 top
NOREF#175  -  []  82.3 22.51 0 top
NOREF#176  -  []  51.66 60.13 90 top
NOREF#177  -  []  79.88 48.44 90 top
NOREF#178  -  []  56.1 54.22 0 top
NOREF#179  -  []  84.89 80.66 0 top
NOREF#180  -  []  64.07 47.74 0 top
NOREF#181  -  []  25.43 35.56 90 top
NOREF#182  -  []  68.28 26.78 90 top
NOREF#183  -  []  37.38 24 0 top
NOREF#184  -  []  27.87 60.47 0 top
NOREF#185  -  []  14.49 67.43 0 top
NOREF#186  -  []  84.79 54.38 90 top
NOREF#187  -  []  26.85 7.22 90 top
NOREF#188  -  []  90.6 22.9 90 top
NOREF#189  -  []  20.98 35.22 0 top
NOREF#190  -  []  57.68 41.03 0 top
NOREF#191  -  []  14.49 67.43 90 top
NOREF#192  -  []  43.63 73.73 90 top
NOREF#193  -  []  5.88 35.87 90 top
NOREF#194  -  []  15.87 64.8 90 top
NOREF#195  -  []  79 22.11 0 top
NOREF#196  -  []  27.26 35.45 90 top
NOREF#197  -  []  37.95 61.78 0 top
NOREF#198  -  []  15.23 76.77 0 top
NOREF#199  -  []  41.97 80.57 90 top
NOREF#200  -  []  58.92 52.83 0 top
NOREF#201  -  []  53.93 22.01 0 top
NOREF#202  -  []  20.52 28.01 0 top
NOREF#203  -  []  63.95 11.26 90 top
NOREF#204  -  []  9.98 64.01 0 top
NOREF#205  -  []  65.98 13.26 90 top
NOREF#206  -  []  82.56 79.19 90 top
NOREF#207  -  []  30.48 65.6 90 top
NOREF#208  -  []  24.38 31.44 0 top
NOREF#209  -  []  60.51 69.9 90 top
NOREF#210  -  []  82.91 55.32 0 top
NOREF#211  -  []  15.89 50.13 0 top
NOREF#212  -  []  60.62 71.04 90 top
NOREF#213  -  []  68.62 65.57 0 top
NOREF#214  -  []  24.68 18.84 90 top
NOREF#215  -  []  85.67 80.66 90 top
NOREF#216  -  []  85.7 38.15 0 top
NOREF#217  -  []  65.72 66.16 90 top
NOREF#218  -  []  67.97 24.85 0 top
NOREF#219  -  []  70.37 63.25 90 top
NOREF#220  -  []  58.43 77.94 90 top
NOREF#221  -  []  76.41 83.14 90 top
NOREF#222  -  []  36.9 43.65 0 top
NOREF#223  -  []  69.24 7.97 90 top
NOREF#224  -  []  23.64 36.18 0 top
NOREF#225  -  []  64.07 47.74 90 top
NOREF#226  -  []  9.5 66.37 90 top
NOREF#227  -  []  20.03 18.69 0 top
NOREF#228  -  []  29.47 59.66 90 top
NOREF#229  -  []  76.9 18.9 90 top
NOREF#230  -  []  39.86 29.22 90 top
NOREF#231  -  []  13.45 64.52 0 top
NOREF#232  -  []  66.9 52.29 90 top
NOREF#233  -  []  67.35 25.63 90 top
NOREF#234  -  []  83.94 80.61 0 top
NOREF#235  -  []  69.52 69.96 0 top
NOREF#236  -  []  8.68 64.01 90 top
NOREF#237  -  []  61.69 79.53 0 top
NOREF#238  -  []  22.43 37.05 0 top
NOREF#239  -  []  37.98 31.22 0 top
NOREF#240  -  []  33.53 32.89 0 top
NOREF#241  -  []  55.07 82.46 0 top
NOREF#242  -  []  35.24 67.97 0 top
NOREF#243  -  []  80.81 56.14 90 top
NOREF#244  -  []  31.19 36.74 0 top
NOREF#245  -  []  28.98 35.22 0 top
NOREF#246  -  []  21.57 57.31 0 top
NOREF#247  -  []  73.51 55.97 90 top
NOREF#248  -  []  71.84 28.22 0 top
NOREF#249  -  []  14.99 80.56 90 top
NOREF#250  -  []  69.38 48.44 90 top
NOREF#251  -  []  79.96 84.6 0 top
NOREF#252  -  []  71.3 74.76 0 top
NOREF#253  -  []  53.34 25.25 0 top
NOREF#254  -  []  71.49 69.39 90 top
NOREF#255  -  []  75.86 23.98 0 top
NOREF#256  -  []  55.22 25.25 90 top
NOREF#257  -  []  69.52 68.41 0 top
NOREF#258  -  []  16.3 20.63 90 top
NOREF#259  -  []  34.43 38.74 90 top
NOREF#260  -  []  22 49.32 90 top
NOREF#261  -  []  64.42 63.63 90 top
NOREF#262  -  []  33.39 51.48 90 top
NOREF#263  -  []  22.78 34 0 top
NOREF#264  -  []  17.77 52.72 0 top
NOREF#265  -  []  80.24 11.22 0 top
NOREF#266  -  []  38.02 40.2 90 top
NOREF#267  -  []  67.3 83.09 90 top
NOREF#268  -  []  31.38 24.44 0 top
NOREF#269  -  []  74.25 67.92 90 top
NOREF#270  -  []  56.88 26.97 90 top
NOREF#271  -  []  85.73 32.68 90 top
NOREF#272  -  []  34.86 30.22 90 top
NOREF#273  -  []  40.7 64 90 top
NOREF#274  -  []  42.47 62.78 90 top
NOREF#275  -  []  34.86 32.22 90 top
NOREF#276  -  []  60.7 69.91 90 top
NOREF#277  -  []  58.9 23.41 0 top
NOREF#278  -  []  72.73 7.97 90 top
NOREF#279  -  []  84.87 15.51 0 top
NOREF#280  -  []  32.98 30.22 0 top
NOREF#281  -  []  65.42 63.97 0 top
NOREF#282  -  []  67.72 39.51 90 top
NOREF#283  -  []  51.91 33.27 0 top
NOREF#284  -  []  31.99 27.18 90 top
NOREF#285  -  []  18.23 67.98 0 top
NOREF#286  -  []  28.54 67.98 0 top
NOREF#287  -  []  17.58 60.47 0 top
NOREF#288  -  []  54.27 7.97 90 top
NOREF#289  -  []  19.48 44.53 0 top
NOREF#290  -  []  46.59 36.54 90 top
NOREF#291  -  []  25.87 17.42 0 top
NOREF#292  -  []  58.42 71.18 0 top
NOREF#293  -  []  10.37 57.93 90 top
NOREF#294  -  []  83 18.9 90 top
NOREF#295  -  []  64.52 17.66 90 top
NOREF#296  -  []  64.06 7.97 90 top
NOREF#297  -  []  17.79 31 0 top
NOREF#298  -  []  54.35 56.73 90 top
NOREF#299  -  []  56.02 37.4 90 top
NOREF#300  -  []  64.58 36.24 90 top
NOREF#301  -  []  62.26 26.48 90 top
NOREF#302  -  []  6.57 59.12 90 top
NOREF#303  -  []  70.81 70.39 90 top
